# KiCad board APA102_Matrix.kicad_pcb (continued)
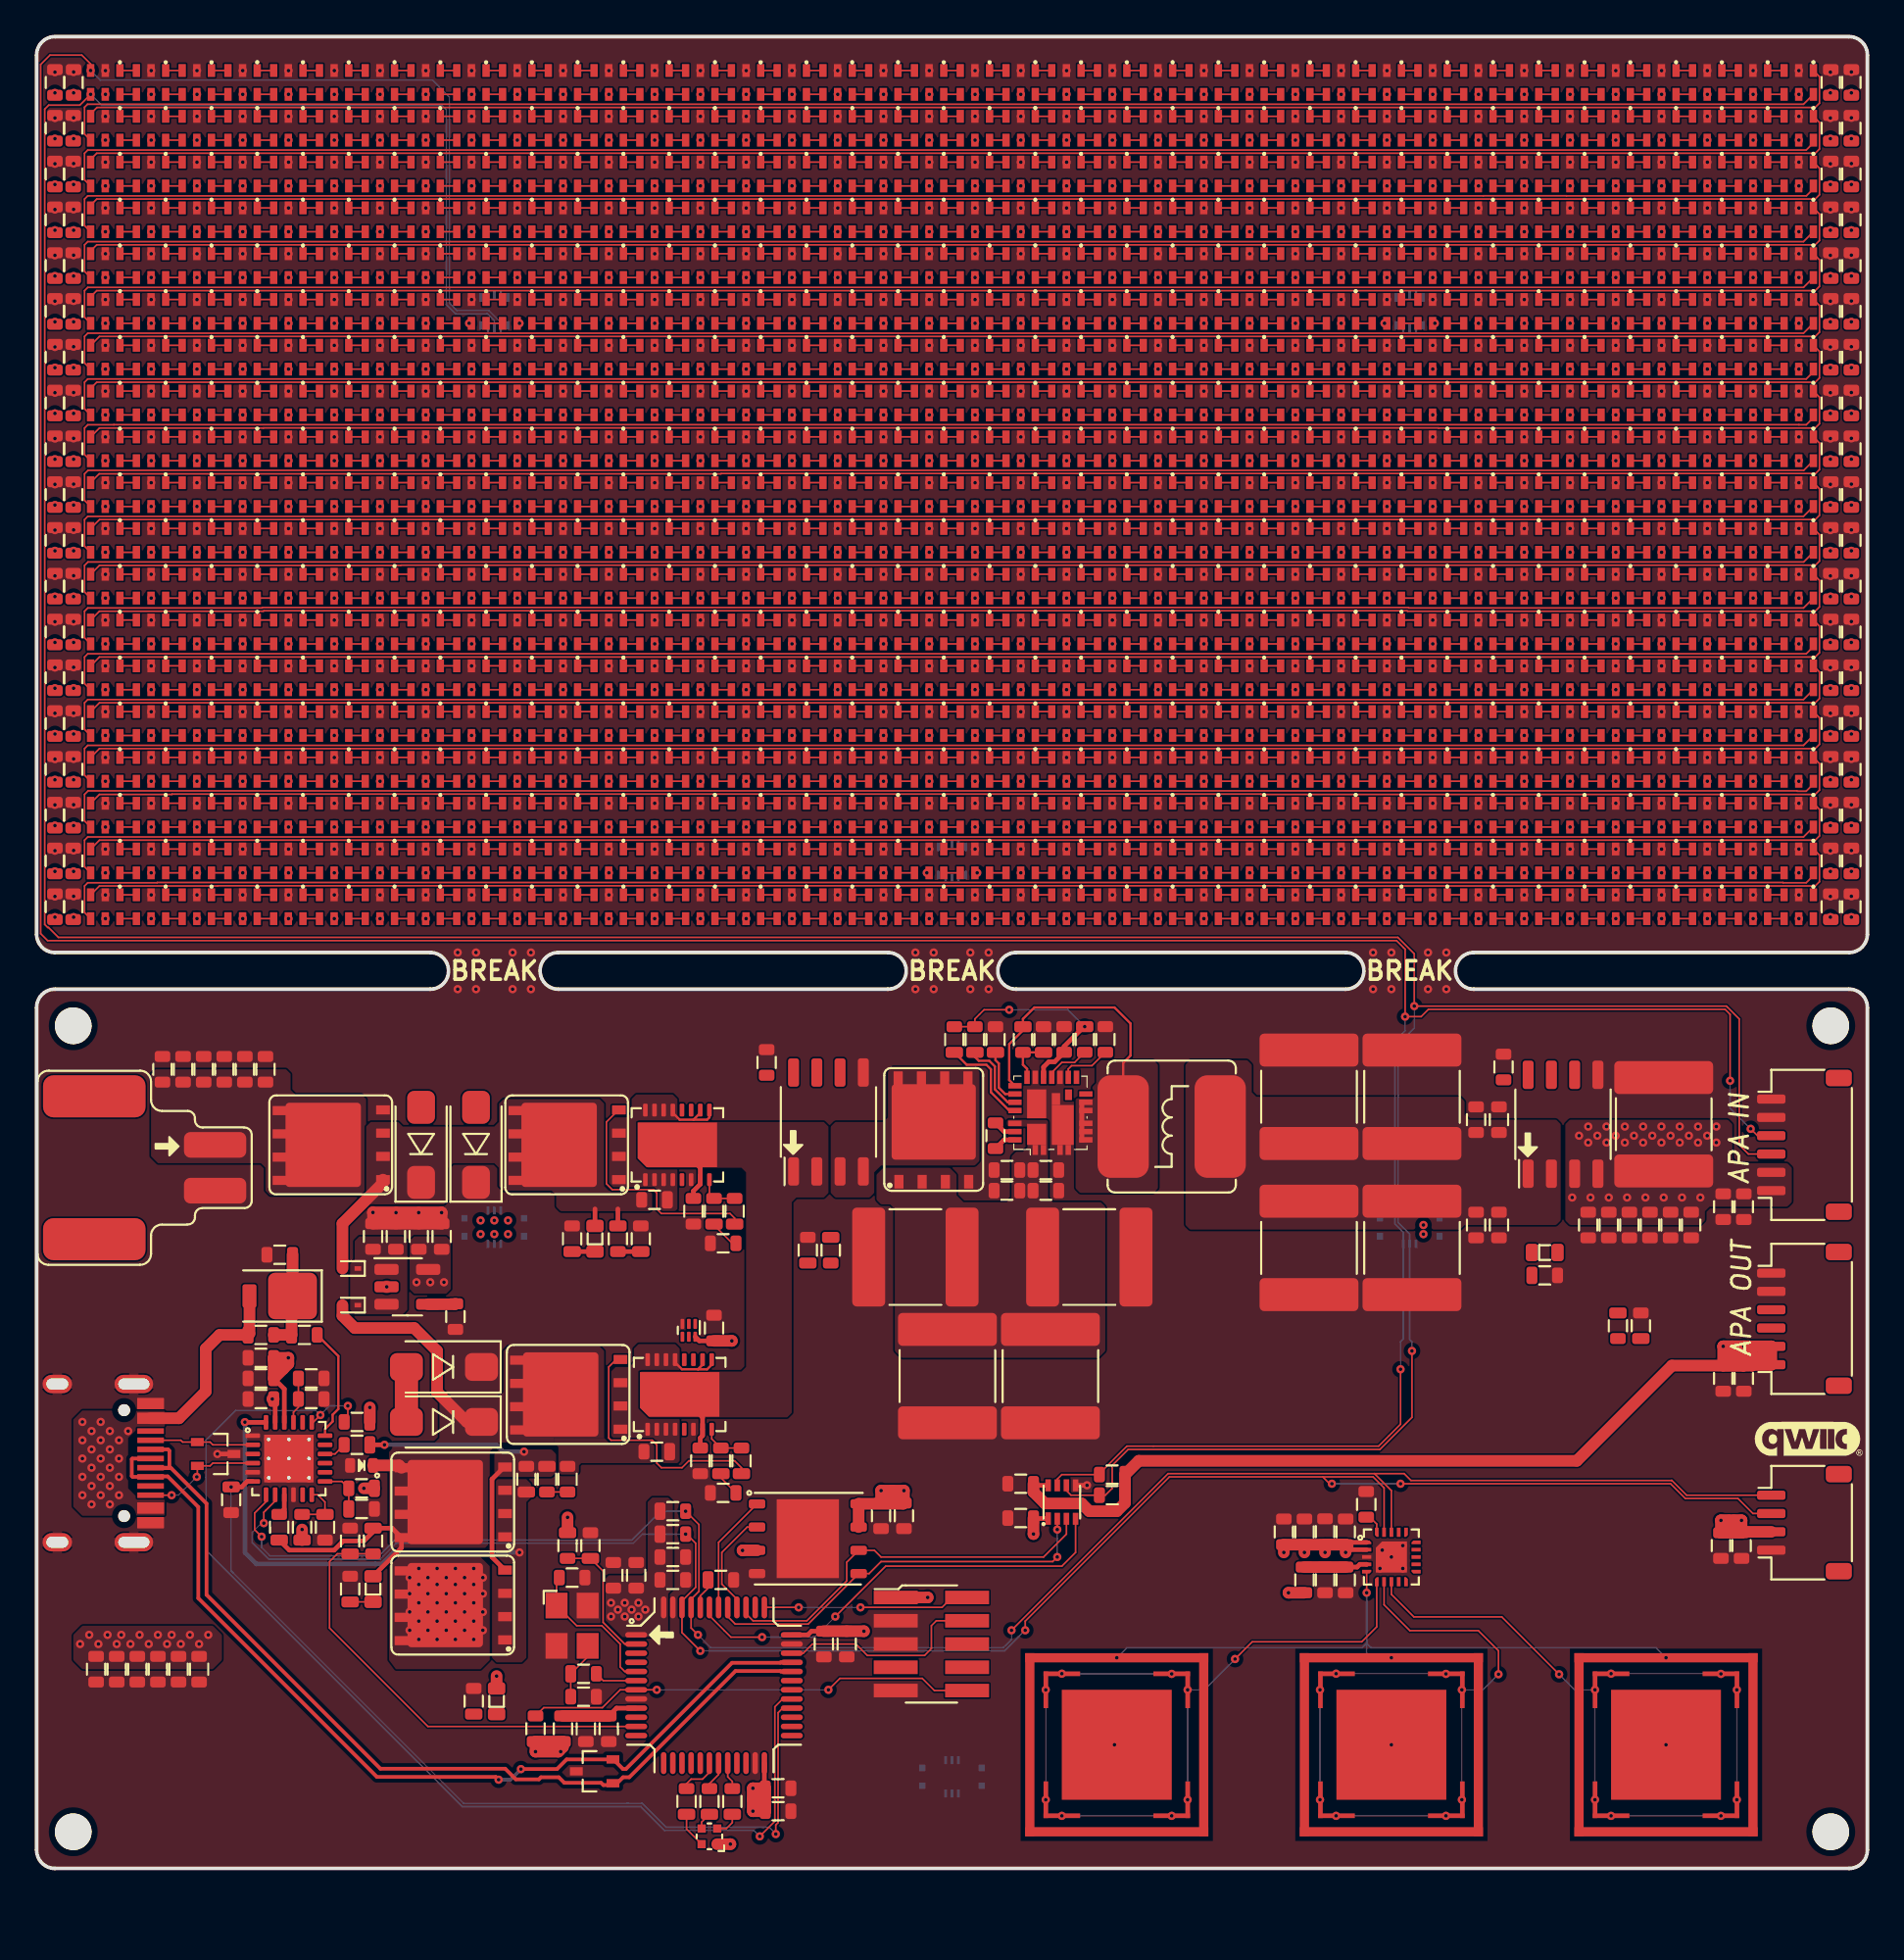
[diagram p0: board, top side]
## Footprints (pads in the part's own frame, mm; a bottom-side part is the same pattern mirrored in y, then rotated) (continued)
SK9822_2020
  rect 0.7x0.4 smd: 1(-0.65,0.8) 2(-0.65,0) 3(-0.65,-0.8) 4(0.65,-0.8) 5(0.65,0) 6(0.65,0.8)
SM04B_SRSS_TB
  rrect 0.5x1.55 smd: 1(-1.5,2) 2(-0.5,2) 3(0.5,2) 4(1.5,2)
  rrect 0.9x1.425 smd: X(-2.65,-1.688) X(2.65,-1.688)
SM06B_SRSS_TB
  rrect 0.5x1.55 smd: 1(-2.5,2) 2(-1.5,2) 3(-0.5,2) 4(0.5,2) 5(1.5,2) 6(2.5,2)
  rrect 0.9x1.425 smd: X(-3.65,-1.688) X(3.65,-1.688)
SOD_923
  rect 0.36x0.25 smd: 1(-0.42,0) 2(0.42,0)
SOIC_154mil
  rrect 1.55x0.6 smd: 1(-2.7,1.905) 2(-2.7,0.635) 3(-2.7,-0.635) 4(-2.7,-1.905) 5(2.7,-1.905) 6(2.7,-0.635) 7(2.7,0.635) 8(2.7,1.905)
SOT-23-5
  rrect 1.325x0.6 smd: 1(-1.137,0.95) 2(-1.137,0) 3(-1.137,-0.95) 4(1.137,-0.95) 5(1.137,0.95)
SOT_323
  rect 0.45x0.7 smd: 1(-0.65,-1) 2(0.65,-1) 3(0,1)
SWD_2X5_1.27MM
  rect 2.4x0.74 smd: 1(-1.95,2.54) 2(1.95,2.54) 3(-1.95,1.27) 4(1.95,1.27) 5(-1.95,0) 6(1.95,0) 7(-1.95,-1.27) 8(1.95,-1.27) 9(-1.95,-2.54) 10(1.95,-2.54)
TDFN_8
  rect 0.675x0.3 smd: 1(-0.9,0.75)
  rect 0.65x0.3 smd: 2(-0.913,0.25) 3(-0.913,-0.25) 4(-0.913,-0.75) 5(0.913,-0.75) 6(0.913,-0.25) 7(0.913,0.25) 8(0.913,0.75)
TOUCH_PAD
  rect 0.5x10 smd: 1(-4.75,0) 1(4.75,0)
  rect 10x0.5 smd: 1(0,4.75) 1(0,-4.75)
  rect 0.25x2 smd: 2(-3.875,3) 2(-3.875,-3) 2(3.875,3) 2(3.875,-3)
  rect 2x0.25 smd: 2(-3,3.875) 2(-3,-3.875) 2(3,3.875) 2(3,-3.875)
  rect 6x6 smd: 3(0,0)
USB_C
  round 0.65 hole 0.65 unplated: (-2.89,2.6) (2.89,2.6)
  rect 0.6x1.45 smd: A1(-3.25,4.045) A4(-2.45,4.045) A9(2.45,4.045) A12(3.25,4.045) B1(3.25,4.045) B4(2.45,4.045) B9(-2.45,4.045) B12(-3.25,4.045)
  rect 0.3x1.45 smd: A5(-1.25,4.045) A6(-0.25,4.045) A7(0.25,4.045) A8(1.25,4.045) B5(1.75,4.045) B6(0.75,4.045) B7(-0.75,4.045) B8(-1.75,4.045)
  oval 1x2.1 hole 0.6x1.7: S1(-4.32,3.13) S1(4.32,3.13)
  oval 1x1.6 hole 0.6x1.2: S1(-4.32,-1.05) S1(4.32,-1.05)
WSON_8_6X5
  rrect 1.37x1.73 smd: (-0.85,1.075) (-0.85,-1.075) (0.85,1.075) (0.85,-1.075)
  rrect 0.9x0.5 smd: 1(-2.775,1.9) 2(-2.775,0.635) 3(-2.775,-0.635) 4(-2.775,-1.905) 5(2.775,-1.905) 6(2.775,-0.635) 7(2.775,0.635) 8(2.775,1.905)
  rect 3.4x4.3 smd: 9(0,0)

## Nets
+3V3: C77.1 C78.1 C81.1 C82.1 C87.2 C89.2 C90.1 C91.1 C92.1 C93.1 C94.1 C95.1 C96.1 C97.1 C98.1 C99.1 C123.1 C124.1 C125.1 C126.1 C131.1 C134.1 C137.1 C154.1 CN3.2 D725.2 D729.1 FB1.2 FB2.2 J1.1 R19.1 R20.1 R21.1 R23.1 R38.1 U1.8 U2.6 U3.8 U4.5 U5.1 U6.3 U6.7 U6.8 U7.1 U7.24 U7.36 U7.48 U9.1 U9.2 U10.22
+5V: C1.1 C2.1 C3.1 C4.1 C5.1 C6.1 C7.1 C8.1 C9.1 C10.1 C11.1 C12.1 C13.1 C14.1 C15.1 C16.1 C17.1 C18.1 C19.1 C20.1 C21.1 C22.1 C23.1 C24.1 C25.1 C26.1 C27.1 C28.1 C29.1 C30.1 C31.1 C32.1 C33.1 C34.1 C35.1 C36.1 C37.1 C38.1 C39.1 C40.1 C41.1 C42.1 C43.1 C44.1 C45.1 C46.1 C47.1 C48.1 C49.1 C50.1 C51.1 C52.1 C53.1 C54.1 C55.1 C56.1 C57.1 C58.1 C59.1 C60.1 C61.1 C62.1 C63.1 C64.1 C65.1 C66.1 C67.1 C68.1 C69.1 C70.1 C71.1 C72.1 C73.1 C74.1 C75.1 C76.1 C84.1 C85.1 C86.1 C88.2 C155.1 C156.1 C157.1 C158.1 C159.1 C160.1 C161.1 C162.1 CN2.1 CN2.2 CN4.2 CN4.4 CN4.5 CN4.6 CN5.2 CN5.4 CN5.5 CN5.6 CN6.1 CN6.2 CN6.3 CN6.4 CN6.5 CN6.6 CN7.1 CN7.2 CN7.3 CN7.4 CN7.5 CN7.6 CN8.1 CN8.2 CN8.3 CN8.4 CN8.5 CN8.6 CN9.1 CN9.2 CN9.3 CN9.4 CN9.5 CN9.6 CN10.1 CN10.2 D1.5 D2.5 D3.5 D4.5 D5.5 D6.5 D7.5 D8.5 D9.5 D10.5 D11.5 D12.5 D13.5 D14.5 D15.5 D16.5 D17.5 D18.5 D19.5 D20.5 D21.5 D22.5 D23.5 D24.5 D25.5 D26.5 D27.5 D28.5 D29.5 D30.5 D31.5 D32.5 D33.5 D34.5 D35.5 D36.5 D37.5 D38.5 D39.5 D40.5 D41.5 D42.5 D43.5 D44.5 D45.5 D46.5 D47.5 D48.5 D49.5 D50.5 D51.5 D52.5 D53.5 D54.5 D55.5 D56.5 D57.5 D58.5 D59.5 D60.5 D61.5 D62.5 D63.5 D64.5 D65.5 D66.5 D67.5 D68.5 D69.5 D70.5 D71.5 D72.5 D73.5 D74.5 D75.5 D76.5 D77.5 D78.5 D79.5 D80.5 D81.5 D82.5 D83.5 D84.5 D85.5 D86.5 D87.5 D88.5 D89.5 D90.5 D91.5 D92.5 D93.5 D94.5 D95.5 D96.5 D97.5 D98.5 D99.5 D100.5 D101.5 D102.5 D103.5 D104.5 D105.5 D106.5 D107.5 D108.5 D109.5 D110.5 D111.5 D112.5 D113.5 D114.5 D115.5 D116.5 D117.5 D118.5 D119.5 D120.5 D121.5 D122.5 D123.5 D124.5 D125.5 D126.5 D127.5 D128.5 D129.5 D130.5 D131.5 D132.5 D133.5 D134.5 D135.5 D136.5 D137.5 D138.5 D139.5 D140.5 D141.5 D142.5 D143.5 D144.5 D145.5 D146.5 D147.5 D148.5 D149.5 D150.5 D151.5 D152.5 D153.5 D154.5 D155.5 D156.5 D157.5 D158.5 D159.5 D160.5 D161.5 D162.5 D163.5 D164.5 D165.5 D166.5 D167.5 D168.5 D169.5 D170.5 D171.5 D172.5 D173.5 D174.5 D175.5 D176.5 D177.5 D178.5 D179.5 D180.5 D181.5 D182.5 D183.5 D184.5 D185.5 D186.5 D187.5 D188.5 D189.5 D190.5 D191.5 D192.5 D193.5 D194.5 D195.5 D196.5 D197.5 D198.5 D199.5 D200.5 D201.5 D202.5 D203.5 D204.5 D205.5 D206.5 D207.5 D208.5 D209.5 D210.5 D211.5 D212.5 D213.5 D214.5 D215.5 D216.5 D217.5 D218.5 D219.5 D220.5 D221.5 D222.5 D223.5 D224.5 D225.5 D226.5 D227.5 D228.5 D229.5 D230.5 D231.5 D232.5 D233.5 D234.5 D235.5 D236.5 D237.5 D238.5 D239.5 D240.5 D241.5 D242.5 D243.5 D244.5 D245.5 D246.5 D247.5 D248.5 D249.5 D250.5 D251.5 D252.5 D253.5 D254.5 D255.5 D256.5 D257.5 D258.5 D259.5 D260.5 D261.5 D262.5 D263.5 D264.5 D265.5 D266.5 D267.5 D268.5 D269.5 D270.5 D271.5 D272.5 D273.5 D274.5 D275.5 D276.5 D277.5 D278.5 D279.5 D280.5 D281.5 D282.5 D283.5 D284.5 D285.5 D286.5 D287.5 D288.5 D289.5 D290.5 D291.5 D292.5 D293.5 D294.5 D295.5 D296.5 D297.5 D298.5 D299.5 D300.5 D301.5 D302.5 D303.5 D304.5 D305.5 D306.5 D307.5 D308.5 D309.5 D310.5 D311.5 D312.5 D313.5 D314.5 D315.5 D316.5 D317.5 D318.5 D319.5 D320.5 D321.5 D322.5 D323.5 D324.5 D325.5 D326.5 D327.5 D328.5 D329.5 D330.5 D331.5 D332.5 D333.5 D334.5 D335.5 D336.5 D337.5 D338.5 D339.5 D340.5 D341.5 D342.5 D343.5 D344.5 D345.5 D346.5 D347.5 D348.5 D349.5 D350.5 D351.5 D352.5 D353.5 D354.5 D355.5 D356.5 D357.5 D358.5 D359.5 D360.5 D361.5 D362.5 D363.5 D364.5 D365.5 D366.5 D367.5 D368.5 D369.5 D370.5 D371.5 D372.5 D373.5 D374.5 D375.5 D376.5 D377.5 D378.5 D379.5 D380.5 D381.5 D382.5 D383.5 D384.5 D385.5 D386.5 D387.5 D388.5 D389.5 D390.5 D391.5 D392.5 D393.5 D394.5 D395.5 D396.5 D397.5 D398.5 D399.5 D400.5 D401.5 D402.5 D403.5 D404.5 D405.5 D406.5 D407.5 D408.5 D409.5 D410.5 D411.5 D412.5 D413.5 D414.5 D415.5 D416.5 D417.5 D418.5 D419.5 D420.5 D421.5 D422.5 D423.5 D424.5 D425.5 D426.5 D427.5 D428.5 D429.5 D430.5 D431.5 D432.5 D433.5 D434.5 D435.5 D436.5 D437.5 D438.5 D439.5 D440.5 D441.5 D442.5 D443.5 D444.5 D445.5 D446.5 D447.5 D448.5 D449.5 D450.5 D451.5 D452.5 D453.5 D454.5 D455.5 D456.5 D457.5 D458.5 D459.5 D460.5 D461.5 D462.5 D463.5 D464.5 D465.5 D466.5 D467.5 D468.5 D469.5 D470.5 D471.5 D472.5 D473.5 D474.5 D475.5 D476.5 D477.5 D478.5 D479.5 D480.5 D481.5 D482.5 D483.5 D484.5 D485.5 D486.5 D487.5 D488.5 D489.5 D490.5 D491.5 D492.5 D493.5 D494.5 D495.5 D496.5 D497.5 D498.5 D499.5 D500.5 D501.5 D502.5 D503.5 D504.5 D505.5 D506.5 D507.5 D508.5 D509.5 D510.5 D511.5 D512.5 D513.5 D514.5 D515.5 D516.5 D517.5 D518.5 D519.5 D520.5 D521.5 D522.5 D523.5 D524.5 D525.5 D526.5 D527.5 D528.5 D529.5 D530.5 D531.5 D532.5 D533.5 D534.5 D535.5 D536.5 D537.5 D538.5 D539.5 D540.5 D541.5 D542.5 D543.5 D544.5 D545.5 D546.5 D547.5 D548.5 D549.5 D550.5 D551.5 D552.5 D553.5 D554.5 D555.5 D556.5 D557.5 D558.5 D559.5 D560.5 D561.5 D562.5 D563.5 D564.5 D565.5 D566.5 D567.5 D568.5 D569.5 D570.5 D571.5 D572.5 D573.5 D574.5 D575.5 D576.5 D577.5 D578.5 D579.5 D580.5 D581.5 D582.5 D583.5 D584.5 D585.5 D586.5 D587.5 D588.5 D589.5 D590.5 D591.5 D592.5 D593.5 D594.5 D595.5 D596.5 D597.5 D598.5 D599.5 D600.5 D601.5 D602.5 D603.5 D604.5 D605.5 D606.5 D607.5 D608.5 D609.5 D610.5 D611.5 D612.5 D613.5 D614.5 D615.5 D616.5 D617.5 D618.5 D619.5 D620.5 D621.5 D622.5 D623.5 D624.5 D625.5 D626.5 D627.5 D628.5 D629.5 D630.5 D631.5 D632.5 D633.5 D634.5 D635.5 D636.5 D637.5 D638.5 D639.5 D640.5 D641.5 D642.5 D643.5 D644.5 D645.5 D646.5 D647.5 D648.5 D649.5 D650.5 D651.5 D652.5 D653.5 D654.5 D655.5 D656.5 D657.5 D658.5 D659.5 D660.5 D661.5 D662.5 D663.5 D664.5 D665.5 D666.5 D667.5 D668.5 D669.5 D670.5 D671.5 D672.5 D673.5 D674.5 D675.5 D676.5 D677.5 D678.5 D679.5 D680.5 D681.5 D682.5 D683.5 D684.5 D685.5 D686.5 D687.5 D688.5 D689.5 D690.5 D691.5 D692.5 D693.5 D694.5 D695.5 D696.5 D697.5 D698.5 D699.5 D700.5 D701.5 D702.5 D703.5 D704.5 D705.5 D706.5 D707.5 D708.5 D709.5 D710.5 D711.5 D712.5 D713.5 D714.5 D715.5 D716.5 D717.5 D718.5 D719.5 D720.5 D721.5 D722.5 D724.2 R4.1 R12.1 R13.1 U3.3 U3.4 U5.8
/5V_EN: R27.1 U7.25 U8.19
/5V_PGOOD: R26.2 U8.14
/MCU/+3V3A_MCU: C100.1 C101.1 FB1.1 U7.9
/MCU/VIN_STAT: U7.21
/POWER SUPPLY/5V_OUT: C109.1 C110.1 C111.1 C112.1 C117.1 C118.1 C119.1 C120.1 L1.2 U3.1 U3.2
/POWER SUPPLY/VDD: C121.1 R26.1 R30.2 R31.2 U8.15
/USB C PD/+2V7: C130.2 R40.1 R42.1 U10.23
/V5_I_SNS: U3.7 U7.15
/V5_V_SNS: R4.2 R8.1 U7.14
/VIN_I_SNS: U1.7 U7.13
/VIN_SEL: U2.2 U7.22 U12.12
/VIN_V_SNS: R1.2 R2.1 U7.12
GND: C1.2 C2.2 C3.2 C4.2 C5.2 C6.2 C7.2 C8.2 C9.2 C10.2 C11.2 C12.2 C13.2 C14.2 C15.2 C16.2 C17.2 C18.2 C19.2 C20.2 C21.2 C22.2 C23.2 C24.2 C25.2 C26.2 C27.2 C28.2 C29.2 C30.2 C31.2 C32.2 C33.2 C34.2 C35.2 C36.2 C37.2 C38.2 C39.2 C40.2 C41.2 C42.2 C43.2 C44.2 C45.2 C46.2 C47.2 C48.2 C49.2 C50.2 C51.2 C52.2 C53.2 C54.2 C55.2 C56.2 C57.2 C58.2 C59.2 C60.2 C61.2 C62.2 C63.2 C64.2 C65.2 C66.2 C67.2 C68.2 C69.2 C70.2 C71.2 C72.2 C73.2 C74.2 C75.2 C76.2 C77.2 C78.2 C79.2 C80.2 C81.2 C82.2 C83.2 C84.2 C85.2 C86.2 C87.1 C88.1 C89.1 C90.2 C91.2 C92.2 C93.2 C94.2 C95.2 C96.2 C97.2 C98.2 C99.2 C100.2 C101.2 C102.2 C103.2 C105.2 C106.2 C107.2 C108.2 C109.2 C110.2 C111.2 C112.2 C113.2 C114.2 C115.2 C116.2 C117.2 C118.2 C119.2 C120.2 C121.2 C122.2 C123.2 C124.2 C125.2 C126.2 C127.2 C128.2 C129.2 C130.1 C131.2 C133.1 C134.2 C135.2 C136.1 C137.2 C138.2 C139.2 C140.2 C141.2 C142.2 C143.2 C144.2 C145.2 C146.2 C147.2 C148.2 C149.2 C150.2 C151.2 C152.2 C153.2 C154.2 C155.2 C156.2 C157.2 C158.2 C159.2 C160.2 C161.2 C162.2 CN1.2 CN2.5 CN2.6 CN3.1 CN4.X1 CN4.X2 CN5.X1 CN5.X2 CN6.X1 CN6.X2 CN7.X1 CN7.X2 CN8.X1 CN8.X2 CN9.X1 CN9.X2 CN10.5 CN10.6 D1.2 D2.2 D3.2 D4.2 D5.2 D6.2 D7.2 D8.2 D9.2 D10.2 D11.2 D12.2 D13.2 D14.2 D15.2 D16.2 D17.2 D18.2 D19.2 D20.2 D21.2 D22.2 D23.2 D24.2 D25.2 D26.2 D27.2 D28.2 D29.2 D30.2 D31.2 D32.2 D33.2 D34.2 D35.2 D36.2 D37.2 D38.2 D39.2 D40.2 D41.2 D42.2 D43.2 D44.2 D45.2 D46.2 D47.2 D48.2 D49.2 D50.2 D51.2 D52.2 D53.2 D54.2 D55.2 D56.2 D57.2 D58.2 D59.2 D60.2 D61.2 D62.2 D63.2 D64.2 D65.2 D66.2 D67.2 D68.2 D69.2 D70.2 D71.2 D72.2 D73.2 D74.2 D75.2 D76.2 D77.2 D78.2 D79.2 D80.2 D81.2 D82.2 D83.2 D84.2 D85.2 D86.2 D87.2 D88.2 D89.2 D90.2 D91.2 D92.2 D93.2 D94.2 D95.2 D96.2 D97.2 D98.2 D99.2 D100.2 D101.2 D102.2 D103.2 D104.2 D105.2 D106.2 D107.2 D108.2 D109.2 D110.2 D111.2 D112.2 D113.2 D114.2 D115.2 D116.2 D117.2 D118.2 D119.2 D120.2 D121.2 D122.2 D123.2 D124.2 D125.2 D126.2 D127.2 D128.2 D129.2 D130.2 D131.2 D132.2 D133.2 D134.2 D135.2 D136.2 D137.2 D138.2 D139.2 D140.2 D141.2 D142.2 D143.2 D144.2 D145.2 D146.2 D147.2 D148.2 D149.2 D150.2 D151.2 D152.2 D153.2 D154.2 D155.2 D156.2 D157.2 D158.2 D159.2 D160.2 D161.2 D162.2 D163.2 D164.2 D165.2 D166.2 D167.2 D168.2 D169.2 D170.2 D171.2 D172.2 D173.2 D174.2 D175.2 D176.2 D177.2 D178.2 D179.2 D180.2 D181.2 D182.2 D183.2 D184.2 D185.2 D186.2 D187.2 D188.2 D189.2 D190.2 D191.2 D192.2 D193.2 D194.2 D195.2 D196.2 D197.2 D198.2 D199.2 D200.2 D201.2 D202.2 D203.2 D204.2 D205.2 D206.2 D207.2 D208.2 D209.2 D210.2 D211.2 D212.2 D213.2 D214.2 D215.2 D216.2 D217.2 D218.2 D219.2 D220.2 D221.2 D222.2 D223.2 D224.2 D225.2 D226.2 D227.2 D228.2 D229.2 D230.2 D231.2 D232.2 D233.2 D234.2 D235.2 D236.2 D237.2 D238.2 D239.2 D240.2 D241.2 D242.2 D243.2 D244.2 D245.2 D246.2 D247.2 D248.2 D249.2 D250.2 D251.2 D252.2 D253.2 D254.2 D255.2 D256.2 D257.2 D258.2 D259.2 D260.2 D261.2 D262.2 D263.2 D264.2 D265.2 D266.2 D267.2 D268.2 D269.2 D270.2 D271.2 D272.2 D273.2 D274.2 D275.2 D276.2 D277.2 D278.2 D279.2 D280.2 D281.2 D282.2 D283.2 D284.2 D285.2 D286.2 D287.2 D288.2 D289.2 D290.2 D291.2 D292.2 D293.2 D294.2 D295.2 D296.2 D297.2 D298.2 D299.2 D300.2 D301.2 D302.2 D303.2 D304.2 D305.2 D306.2 D307.2 D308.2 D309.2 D310.2 D311.2 D312.2 D313.2 D314.2 D315.2 D316.2 D317.2 D318.2 D319.2 D320.2 D321.2 D322.2 D323.2 D324.2 D325.2 D326.2 D327.2 D328.2 D329.2 D330.2 D331.2 D332.2 D333.2 D334.2 D335.2 D336.2 D337.2 D338.2 D339.2 D340.2 D341.2 D342.2 D343.2 D344.2 D345.2 D346.2 D347.2 D348.2 D349.2 D350.2 D351.2 D352.2 D353.2 D354.2 D355.2 D356.2 D357.2 D358.2 D359.2 D360.2 D361.2 D362.2 D363.2 D364.2 D365.2 D366.2 D367.2 D368.2 D369.2 D370.2 D371.2 D372.2 D373.2 D374.2 D375.2 D376.2 D377.2 D378.2 D379.2 D380.2 D381.2 D382.2 D383.2 D384.2 D385.2 D386.2 D387.2 D388.2 D389.2 D390.2 D391.2 D392.2 D393.2 D394.2 D395.2 D396.2 D397.2 D398.2 D399.2 D400.2 D401.2 D402.2 D403.2 D404.2 D405.2 D406.2 D407.2 D408.2 D409.2 D410.2 D411.2 D412.2 D413.2 D414.2 D415.2 D416.2 D417.2 D418.2 D419.2 D420.2 D421.2 D422.2 D423.2 D424.2 D425.2 D426.2 D427.2 D428.2 D429.2 D430.2 D431.2 D432.2 D433.2 D434.2 D435.2 D436.2 D437.2 D438.2 D439.2 D440.2 D441.2 D442.2 D443.2 D444.2 D445.2 D446.2 D447.2 D448.2 D449.2 D450.2 D451.2 D452.2 D453.2 D454.2 D455.2 D456.2 D457.2 D458.2 D459.2 D460.2 D461.2 D462.2 D463.2 D464.2 D465.2 D466.2 D467.2 D468.2 D469.2 D470.2 D471.2 D472.2 D473.2 D474.2 D475.2 D476.2 D477.2 D478.2 D479.2 D480.2 D481.2 D482.2 D483.2 D484.2 D485.2 D486.2 D487.2 D488.2 D489.2 D490.2 D491.2 D492.2 D493.2 D494.2 D495.2 D496.2 D497.2 D498.2 D499.2 D500.2 D501.2 D502.2 D503.2 D504.2 D505.2 D506.2 D507.2 D508.2 D509.2 D510.2 D511.2 D512.2 D513.2 D514.2 D515.2 D516.2 D517.2 D518.2 D519.2 D520.2 D521.2 D522.2 D523.2 D524.2 D525.2 D526.2 D527.2 D528.2 D529.2 D530.2 D531.2 D532.2 D533.2 D534.2 D535.2 D536.2 D537.2 D538.2 D539.2 D540.2 D541.2 D542.2 D543.2 D544.2 D545.2 D546.2 D547.2 D548.2 D549.2 D550.2 D551.2 D552.2 D553.2 D554.2 D555.2 D556.2 D557.2 D558.2 D559.2 D560.2 D561.2 D562.2 D563.2 D564.2 D565.2 D566.2 D567.2 D568.2 D569.2 D570.2 D571.2 D572.2 D573.2 D574.2 D575.2 D576.2 D577.2 D578.2 D579.2 D580.2 D581.2 D582.2 D583.2 D584.2 D585.2 D586.2 D587.2 D588.2 D589.2 D590.2 D591.2 D592.2 D593.2 D594.2 D595.2 D596.2 D597.2 D598.2 D599.2 D600.2 D601.2 D602.2 D603.2 D604.2 D605.2 D606.2 D607.2 D608.2 D609.2 D610.2 D611.2 D612.2 D613.2 D614.2 D615.2 D616.2 D617.2 D618.2 D619.2 D620.2 D621.2 D622.2 D623.2 D624.2 D625.2 D626.2 D627.2 D628.2 D629.2 D630.2 D631.2 D632.2 D633.2 D634.2 D635.2 D636.2 D637.2 D638.2 D639.2 D640.2 D641.2 D642.2 D643.2 D644.2 D645.2 D646.2 D647.2 D648.2 D649.2 D650.2 D651.2 D652.2 D653.2 D654.2 D655.2 D656.2 D657.2 D658.2 D659.2 D660.2 D661.2 D662.2 D663.2 D664.2 D665.2 D666.2 D667.2 D668.2 D669.2 D670.2 D671.2 D672.2 D673.2 D674.2 D675.2 D676.2 D677.2 D678.2 D679.2 D680.2 D681.2 D682.2 D683.2 D684.2 D685.2 D686.2 D687.2 D688.2 D689.2 D690.2 D691.2 D692.2 D693.2 D694.2 D695.2 D696.2 D697.2 D698.2 D699.2 D700.2 D701.2 D702.2 D703.2 D704.2 D705.2 D706.2 D707.2 D708.2 D709.2 D710.2 D711.2 D712.2 D713.2 D714.2 D715.2 D716.2 D717.2 D718.2 D719.2 D720.2 D721.2 D722.2 D730.2 D732.3 D733.3 D735.1 D737.1 J1.3 J1.5 J1.9 P1.A1 P1.A12 P1.B1 P1.B12 P1.S1 Q1.4 Q2.4 R2.2 R5.2 R7.2 R8.2 R9.2 R10.2 R14.2 R15.2 R22.2 R25.2 R27.2 R29.2 R39.2 R41.2 R43.2 T1.3 T2.3 T3.3 U1.5 U2.3 U3.5 U4.2 U5.5 U6.4 U6.9 U7.8 U7.23 U7.35 U7.47 U8.3 U8.4 U8.13 U8.16 U8.25 U8.27 U9.3 U9.21 U10.1 U10.5 U10.10 U10.25 U11.6 U12.6 Y1.2 Y1.4
/APA_CLK_5V: CN4.3 CN5.3 CN10.3 D1.4 R12.2 U5.6
/APA_DAT_5V: CN4.1 CN5.1 CN10.4 D1.3 R13.2 U5.7
/EXTERNAL_12V: D723.2 D726.2 D736.1 Q1.1 Q1.2 Q1.3 Q6.5 Q6.6 Q6.7 Q6.8 R3.1 R44.2
/EXTERNAL_V_SNS: R3.2 R5.1 U7.10
/I2C_CLK: CN3.4 R19.2 U7.45 U9.18 U10.7
/I2C_SDA: CN3.3 R20.2 U7.46 U9.19 U10.8
/LED ARRAY/CLK_OUT: CN2.3 D722.6
/LED ARRAY/DATA_OUT: CN2.4 D722.1
/LED ARRAY/LED_Row_1/CLK_OUT: D38.6 D39.4
/LED ARRAY/LED_Row_1/DATA_OUT: D38.1 D39.3
/LED ARRAY/LED_Row_2/CLK_OUT: D76.6 D77.4
/LED ARRAY/LED_Row_2/DATA_OUT: D76.1 D77.3
/LED ARRAY/LED_Row_3/CLK_OUT: D114.6 D115.4
/LED ARRAY/LED_Row_3/DATA_OUT: D114.1 D115.3
/LED ARRAY/LED_Row_4/CLK_OUT: D152.6 D153.4
/LED ARRAY/LED_Row_4/DATA_OUT: D152.1 D153.3
/LED ARRAY/LED_Row_5/CLK_OUT: D190.6 D191.4
/LED ARRAY/LED_Row_5/DATA_OUT: D190.1 D191.3
/LED ARRAY/LED_Row_6/CLK_OUT: D228.6 D229.4
/LED ARRAY/LED_Row_6/DATA_OUT: D228.1 D229.3
/LED ARRAY/LED_Row_7/CLK_OUT: D266.6 D267.4
/LED ARRAY/LED_Row_7/DATA_OUT: D266.1 D267.3
/LED ARRAY/LED_Row_8/CLK_OUT: D304.6 D305.4
/LED ARRAY/LED_Row_8/DATA_OUT: D304.1 D305.3
/LED ARRAY/LED_Row_10/CLK_IN: D342.6 D343.4
/LED ARRAY/LED_Row_10/CLK_OUT: D380.6 D381.4
/LED ARRAY/LED_Row_10/DATA_IN: D342.1 D343.3
/LED ARRAY/LED_Row_10/DATA_OUT: D380.1 D381.3
/LED ARRAY/LED_Row_11/CLK_OUT: D418.6 D419.4
/LED ARRAY/LED_Row_11/DATA_OUT: D418.1 D419.3
/LED ARRAY/LED_Row_12/CLK_OUT: D456.6 D457.4
/LED ARRAY/LED_Row_12/DATA_OUT: D456.1 D457.3
/LED ARRAY/LED_Row_13/CLK_OUT: D494.6 D495.4
/LED ARRAY/LED_Row_13/DATA_OUT: D494.1 D495.3
/LED ARRAY/LED_Row_14/CLK_OUT: D532.6 D533.4
/LED ARRAY/LED_Row_14/DATA_OUT: D532.1 D533.3
/LED ARRAY/LED_Row_15/CLK_OUT: D570.6 D571.4
/LED ARRAY/LED_Row_15/DATA_OUT: D570.1 D571.3
/LED ARRAY/LED_Row_16/CLK_OUT: D608.6 D609.4
/LED ARRAY/LED_Row_16/DATA_OUT: D608.1 D609.3
/LED ARRAY/LED_Row_17/CLK_OUT: D646.6 D647.4
/LED ARRAY/LED_Row_17/DATA_OUT: D646.1 D647.3
/LED ARRAY/LED_Row_18/CLK_OUT: D684.6 D685.4
/LED ARRAY/LED_Row_18/DATA_OUT: D684.1 D685.3
/MCU/BOOT0: R25.1 U7.44
/MCU/MCU_RX: U7.31
/MCU/MCU_TX: U7.30
/MCU/NRST: J1.10 R23.2 U7.7
/MCU/SPI_CLK: U5.3 U6.6 U7.39
/MCU/SPI_CS_APA: U5.4 U7.43
/MCU/SPI_CS_FLASH: U6.1 U7.42
/MCU/SPI_MISO: U6.2 U7.40
/MCU/SPI_MOSI: U5.2 U6.5 U7.41
/MCU/SWCLK: J1.4 U7.34
/MCU/SWDIO: J1.2 U7.37
/MCU/TOUCH_RDY: U7.26 U9.17
/MCU/TOUCH_RST: C129.1 U7.27 U9.20
/MCU/VERSION: R21.2 R22.1 U7.2
/PD_15V: C132.1 D727.2 D728.2 D730.1 D734.1 Q4.5 Q4.6 Q4.7 Q4.8 Q5.5 Q5.6 Q5.7 Q5.8 R6.2 R11.1 R33.1
/PD_ALERT: R38.2 U7.29 U10.19
/PD_RESET: R39.1 U7.28 U10.6
/PD_V_SNS: R11.2 R14.1 U7.11
/POWER SUPPLY/Vout: L1.1 R28.1 U8.5 U8.6 U8.7 U8.8 U8.9 U8.18
/USB C PD/CC1: D733.1 P1.A5 U10.2
/USB C PD/CC2: D733.2 P1.B5 U10.4
/USB C PD/PD_DISCH: R33.2 U10.9
/USB C PD/PD_VBUS: C148.1 C149.1 C150.1 C151.1 C152.1 C153.1 D731.2 P1.A4 P1.A9 P1.B4 P1.B9 Q3.5 Q3.6 Q3.7 Q3.8 R32.1
/USB C PD/PD_VBUS_EN: R37.2 U10.16
/USB C PD/PD_VDD: Q3.1 Q3.2 Q3.3 Q4.1 Q4.2 Q4.3 R34.1 U10.24
/USB_DN: D732.1 P1.A7 P1.B7 U7.32
/USB_DP: D732.2 P1.A6 P1.B6 U7.33
/User Inputs/IQS_3V3A: C127.1 C128.1 FB2.1 U9.4
/User Inputs/RX_1: T1.2 U9.6
/User Inputs/RX_2: T2.2 U9.7
/User Inputs/RX_3: T3.2 U9.8
/User Inputs/TX_0: T1.1 T2.1 T3.1 U9.5
/VOUT_POST: Q2.5 Q2.6 Q2.7 Q2.8 R1.1 U1.3 U1.4
/VOUT_PRE: C140.1 C141.1 U1.1 U1.2 U11.7 U11.17 U12.7 U12.17
Net-(C79-Pad1): C79.1 C80.1 D726.1 D727.1 U4.1 U4.3
Net-(C83-Pad1): C83.1 U4.4
Net-(C102-Pad1): C102.1 R24.1 Y1.3
Net-(C103-Pad1): C103.1 U7.5 Y1.1
Net-(C104-Pad1): C104.1 U8.23
Net-(C104-Pad2): C104.2 U8.24
Net-(C105-Pad1): C105.1 C106.1 C107.1 C108.1 C113.1 C114.1 C115.1 C116.1 Q2.1 Q2.2 Q2.3 U8.1 U8.2 U8.22 U8.26
Net-(C122-Pad1): C122.1 U8.12
Net-(C132-Pad2): C132.2 R36.2
Net-(C133-Pad2): C133.2 C136.2 U10.21
Net-(C135-Pad1): C135.1 D731.1 R32.2 R35.1
Net-(C138-Pad1): C138.1 R46.1
Net-(C139-Pad1): C139.1 R48.1
Net-(CN1-Pad1): C142.1 C143.1 C144.1 C145.1 C146.1 C147.1 CN1.1 Q1.5 Q1.6 Q1.7 Q1.8
Net-(D1-Pad1): D1.1 D2.3
Net-(D1-Pad6): D1.6 D2.4
Net-(D2-Pad1): D2.1 D3.3
Net-(D2-Pad6): D2.6 D3.4
Net-(D3-Pad1): D3.1 D4.3
Net-(D3-Pad6): D3.6 D4.4
Net-(D4-Pad1): D4.1 D5.3
Net-(D4-Pad6): D4.6 D5.4
Net-(D5-Pad1): D5.1 D6.3
Net-(D5-Pad6): D5.6 D6.4
Net-(D6-Pad1): D6.1 D7.3
Net-(D6-Pad6): D6.6 D7.4
Net-(D7-Pad1): D7.1 D8.3
Net-(D7-Pad6): D7.6 D8.4
Net-(D8-Pad1): D8.1 D9.3
Net-(D8-Pad6): D8.6 D9.4
Net-(D10-Pad1): D10.1 D11.3
Net-(D10-Pad3): D9.1 D10.3
Net-(D10-Pad4): D9.6 D10.4
Net-(D10-Pad6): D10.6 D11.4
Net-(D11-Pad1): D11.1 D12.3
Net-(D11-Pad6): D11.6 D12.4
Net-(D12-Pad1): D12.1 D13.3
Net-(D12-Pad6): D12.6 D13.4
Net-(D13-Pad1): D13.1 D14.3
Net-(D13-Pad6): D13.6 D14.4
Net-(D14-Pad1): D14.1 D15.3
Net-(D14-Pad6): D14.6 D15.4
Net-(D15-Pad1): D15.1 D16.3
Net-(D15-Pad6): D15.6 D16.4
Net-(D16-Pad1): D16.1 D17.3
Net-(D16-Pad6): D16.6 D17.4
Net-(D17-Pad1): D17.1 D18.3
Net-(D17-Pad6): D17.6 D18.4
Net-(D18-Pad1): D18.1 D19.3
Net-(D18-Pad6): D18.6 D19.4
Net-(D19-Pad1): D19.1 D20.3
Net-(D19-Pad6): D19.6 D20.4
Net-(D20-Pad1): D20.1 D21.3
Net-(D20-Pad6): D20.6 D21.4
Net-(D21-Pad1): D21.1 D22.3
Net-(D21-Pad6): D21.6 D22.4
Net-(D22-Pad1): D22.1 D23.3
Net-(D22-Pad6): D22.6 D23.4
Net-(D23-Pad1): D23.1 D24.3
Net-(D23-Pad6): D23.6 D24.4
Net-(D24-Pad1): D24.1 D25.3
Net-(D24-Pad6): D24.6 D25.4
Net-(D25-Pad1): D25.1 D26.3
Net-(D25-Pad6): D25.6 D26.4
Net-(D26-Pad1): D26.1 D27.3
Net-(D26-Pad6): D26.6 D27.4
Net-(D27-Pad1): D27.1 D28.3
Net-(D27-Pad6): D27.6 D28.4
Net-(D28-Pad1): D28.1 D29.3
Net-(D28-Pad6): D28.6 D29.4
Net-(D29-Pad1): D29.1 D30.3
Net-(D29-Pad6): D29.6 D30.4
Net-(D30-Pad1): D30.1 D31.3
Net-(D30-Pad6): D30.6 D31.4
Net-(D31-Pad1): D31.1 D32.3
Net-(D31-Pad6): D31.6 D32.4
Net-(D32-Pad1): D32.1 D33.3
Net-(D32-Pad6): D32.6 D33.4
Net-(D33-Pad1): D33.1 D34.3
Net-(D33-Pad6): D33.6 D34.4
Net-(D34-Pad1): D34.1 D35.3
Net-(D34-Pad6): D34.6 D35.4
Net-(D35-Pad1): D35.1 D36.3
Net-(D35-Pad6): D35.6 D36.4
Net-(D36-Pad1): D36.1 D37.3
Net-(D36-Pad6): D36.6 D37.4
Net-(D37-Pad1): D37.1 D38.3
Net-(D37-Pad6): D37.6 D38.4
Net-(D39-Pad1): D39.1 D40.3
Net-(D39-Pad6): D39.6 D40.4
Net-(D40-Pad1): D40.1 D41.3
Net-(D40-Pad6): D40.6 D41.4
Net-(D41-Pad1): D41.1 D42.3
Net-(D41-Pad6): D41.6 D42.4
Net-(D42-Pad1): D42.1 D43.3
Net-(D42-Pad6): D42.6 D43.4
Net-(D43-Pad1): D43.1 D44.3
Net-(D43-Pad6): D43.6 D44.4
Net-(D44-Pad1): D44.1 D45.3
Net-(D44-Pad6): D44.6 D45.4
Net-(D45-Pad1): D45.1 D46.3
Net-(D45-Pad6): D45.6 D46.4
Net-(D46-Pad1): D46.1 D47.3
Net-(D46-Pad6): D46.6 D47.4
Net-(D47-Pad1): D47.1 D48.3
Net-(D47-Pad6): D47.6 D48.4
Net-(D48-Pad1): D48.1 D49.3
Net-(D48-Pad6): D48.6 D49.4
Net-(D49-Pad1): D49.1 D50.3
Net-(D49-Pad6): D49.6 D50.4
Net-(D50-Pad1): D50.1 D51.3
Net-(D50-Pad6): D50.6 D51.4
Net-(D51-Pad1): D51.1 D52.3
Net-(D51-Pad6): D51.6 D52.4
Net-(D52-Pad1): D52.1 D53.3
Net-(D52-Pad6): D52.6 D53.4
Net-(D53-Pad1): D53.1 D54.3
Net-(D53-Pad6): D53.6 D54.4
Net-(D54-Pad1): D54.1 D55.3
Net-(D54-Pad6): D54.6 D55.4
Net-(D55-Pad1): D55.1 D56.3
Net-(D55-Pad6): D55.6 D56.4
Net-(D56-Pad1): D56.1 D57.3
Net-(D56-Pad6): D56.6 D57.4
Net-(D57-Pad1): D57.1 D58.3
Net-(D57-Pad6): D57.6 D58.4
Net-(D58-Pad1): D58.1 D59.3
Net-(D58-Pad6): D58.6 D59.4
Net-(D59-Pad1): D59.1 D60.3
Net-(D59-Pad6): D59.6 D60.4
Net-(D60-Pad1): D60.1 D61.3
Net-(D60-Pad6): D60.6 D61.4
Net-(D61-Pad1): D61.1 D62.3
Net-(D61-Pad6): D61.6 D62.4
Net-(D62-Pad1): D62.1 D63.3
Net-(D62-Pad6): D62.6 D63.4
Net-(D63-Pad1): D63.1 D64.3
Net-(D63-Pad6): D63.6 D64.4
Net-(D64-Pad1): D64.1 D65.3
Net-(D64-Pad6): D64.6 D65.4
Net-(D65-Pad1): D65.1 D66.3
Net-(D65-Pad6): D65.6 D66.4
Net-(D66-Pad1): D66.1 D67.3
Net-(D66-Pad6): D66.6 D67.4
Net-(D67-Pad1): D67.1 D68.3
Net-(D67-Pad6): D67.6 D68.4
Net-(D68-Pad1): D68.1 D69.3
Net-(D68-Pad6): D68.6 D69.4
Net-(D69-Pad1): D69.1 D70.3
Net-(D69-Pad6): D69.6 D70.4
Net-(D70-Pad1): D70.1 D71.3
Net-(D70-Pad6): D70.6 D71.4
Net-(D71-Pad1): D71.1 D72.3
Net-(D71-Pad6): D71.6 D72.4
Net-(D72-Pad1): D72.1 D73.3
Net-(D72-Pad6): D72.6 D73.4
Net-(D73-Pad1): D73.1 D74.3
Net-(D73-Pad6): D73.6 D74.4
Net-(D74-Pad1): D74.1 D75.3
Net-(D74-Pad6): D74.6 D75.4
Net-(D75-Pad1): D75.1 D76.3
Net-(D75-Pad6): D75.6 D76.4
Net-(D77-Pad1): D77.1 D78.3
Net-(D77-Pad6): D77.6 D78.4
Net-(D78-Pad1): D78.1 D79.3
Net-(D78-Pad6): D78.6 D79.4
Net-(D79-Pad1): D79.1 D80.3
Net-(D79-Pad6): D79.6 D80.4
Net-(D80-Pad1): D80.1 D81.3
Net-(D80-Pad6): D80.6 D81.4
Net-(D81-Pad1): D81.1 D82.3
Net-(D81-Pad6): D81.6 D82.4
Net-(D82-Pad1): D82.1 D83.3
Net-(D82-Pad6): D82.6 D83.4
Net-(D83-Pad1): D83.1 D84.3
Net-(D83-Pad6): D83.6 D84.4
Net-(D84-Pad1): D84.1 D85.3
Net-(D84-Pad6): D84.6 D85.4
Net-(D85-Pad1): D85.1 D86.3
Net-(D85-Pad6): D85.6 D86.4
Net-(D86-Pad1): D86.1 D87.3
Net-(D86-Pad6): D86.6 D87.4
Net-(D87-Pad1): D87.1 D88.3
Net-(D87-Pad6): D87.6 D88.4
Net-(D88-Pad1): D88.1 D89.3
Net-(D88-Pad6): D88.6 D89.4
Net-(D89-Pad1): D89.1 D90.3
Net-(D89-Pad6): D89.6 D90.4
Net-(D90-Pad1): D90.1 D91.3
Net-(D90-Pad6): D90.6 D91.4
Net-(D91-Pad1): D91.1 D92.3
Net-(D91-Pad6): D91.6 D92.4
Net-(D92-Pad1): D92.1 D93.3
Net-(D92-Pad6): D92.6 D93.4
Net-(D93-Pad1): D93.1 D94.3
Net-(D93-Pad6): D93.6 D94.4
Net-(D94-Pad1): D94.1 D95.3
Net-(D94-Pad6): D94.6 D95.4
Net-(D95-Pad1): D95.1 D96.3
Net-(D95-Pad6): D95.6 D96.4
Net-(D96-Pad1): D96.1 D97.3
Net-(D96-Pad6): D96.6 D97.4
Net-(D97-Pad1): D97.1 D98.3
Net-(D97-Pad6): D97.6 D98.4
Net-(D98-Pad1): D98.1 D99.3
Net-(D98-Pad6): D98.6 D99.4
Net-(D100-Pad1): D100.1 D101.3
Net-(D100-Pad3): D99.1 D100.3
Net-(D100-Pad4): D99.6 D100.4
Net-(D100-Pad6): D100.6 D101.4
Net-(D101-Pad1): D101.1 D102.3
Net-(D101-Pad6): D101.6 D102.4
Net-(D102-Pad1): D102.1 D103.3
Net-(D102-Pad6): D102.6 D103.4
Net-(D103-Pad1): D103.1 D104.3
Net-(D103-Pad6): D103.6 D104.4
Net-(D104-Pad1): D104.1 D105.3
Net-(D104-Pad6): D104.6 D105.4
Net-(D105-Pad1): D105.1 D106.3
Net-(D105-Pad6): D105.6 D106.4
Net-(D106-Pad1): D106.1 D107.3
Net-(D106-Pad6): D106.6 D107.4
Net-(D107-Pad1): D107.1 D108.3
Net-(D107-Pad6): D107.6 D108.4
Net-(D108-Pad1): D108.1 D109.3
Net-(D108-Pad6): D108.6 D109.4
Net-(D109-Pad1): D109.1 D110.3
Net-(D109-Pad6): D109.6 D110.4